# Altium PCB smart_mask_v_2_0.PcbDoc
Units mil, origin at the board's own origin, x right, y up, seen from the top; angles counter-clockwise.
Board outline 866.14 x 1141.73 mil, 4 copper layers (Top Layer, Ground Layer, Power Layer, Bottom Layer), stack 23.756 mil thick; 76 components, 51 nets, 237 pads, 155 vias.
Unrouted connection lines stored in the file: 4.
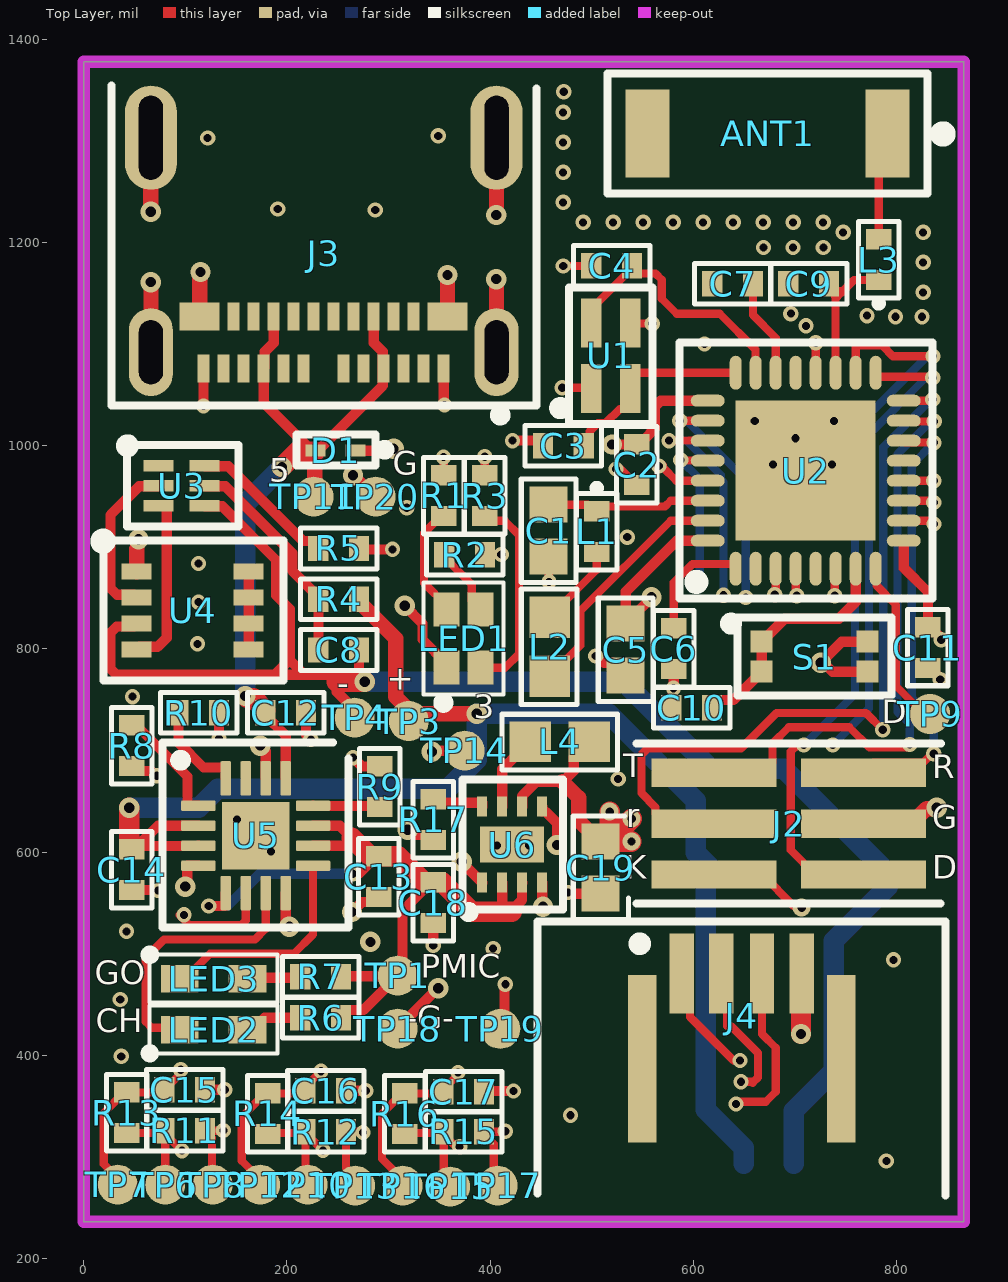
[diagram p0: Top Layer view]
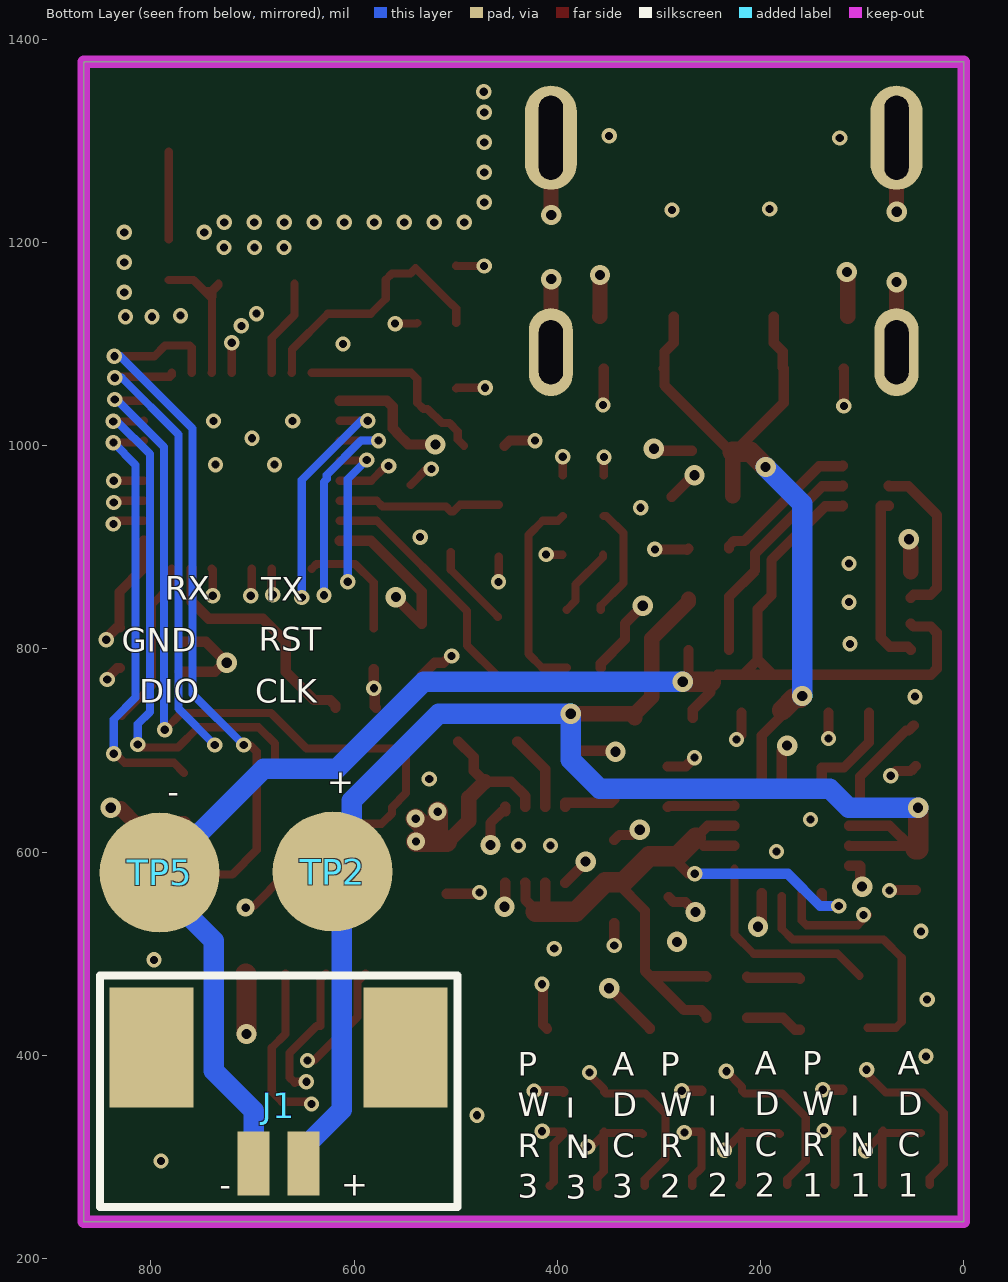
[diagram p1: Bottom Layer view, seen from below]
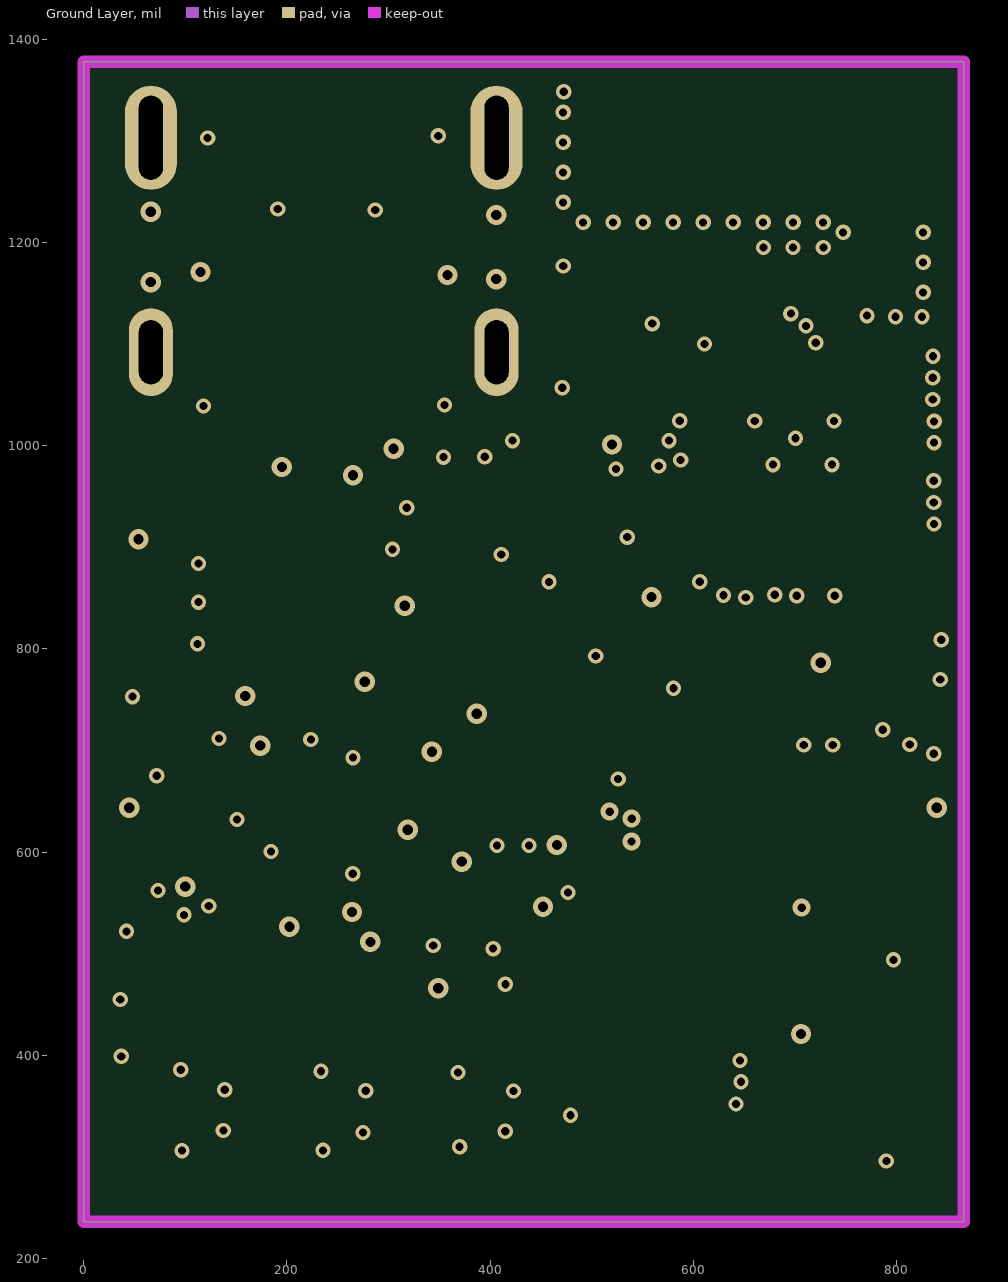
[diagram p2: Ground Layer]
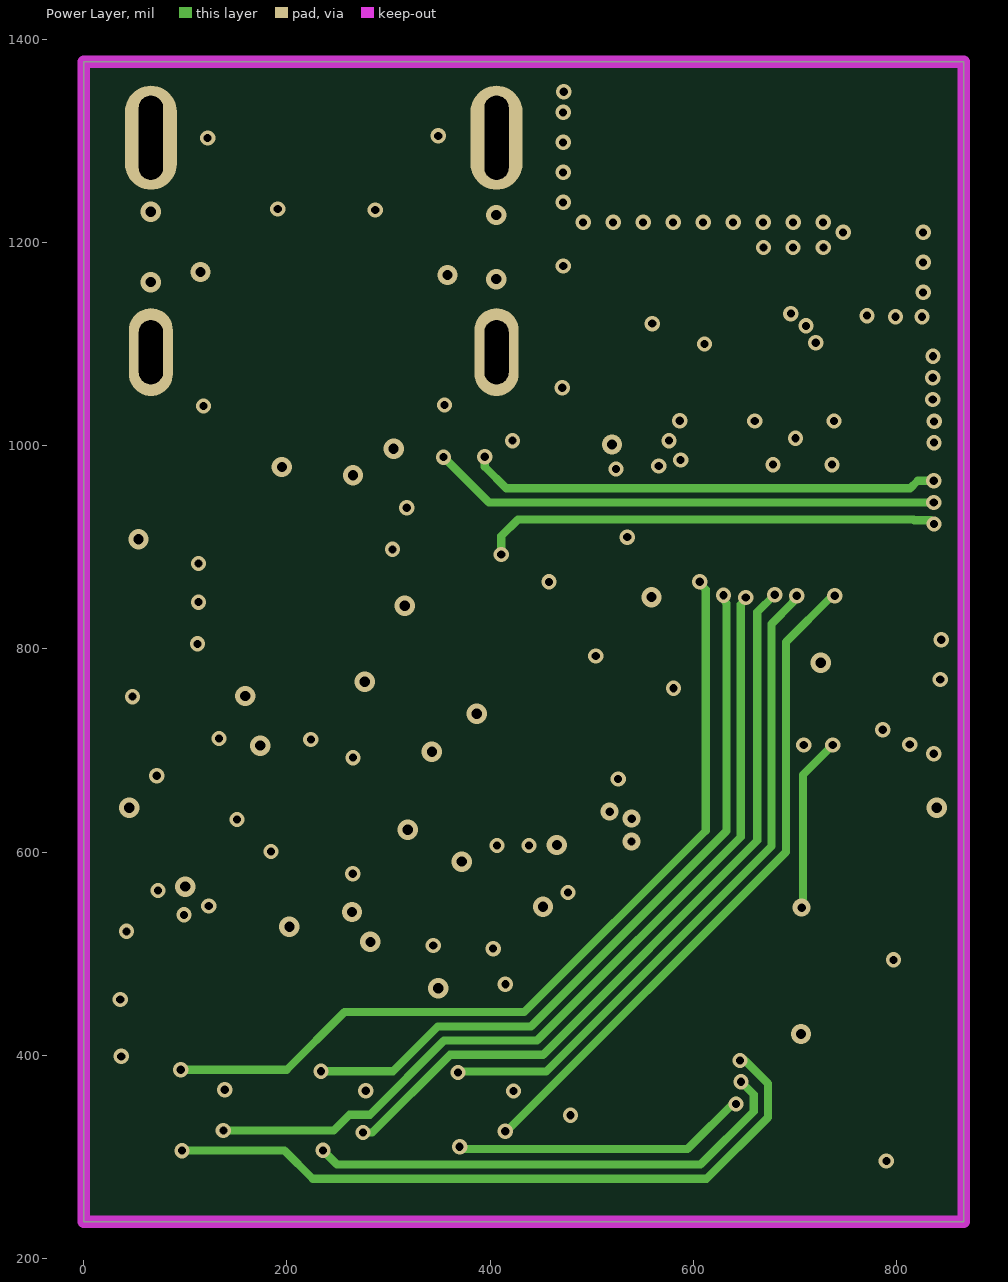
[diagram p3: Power Layer]
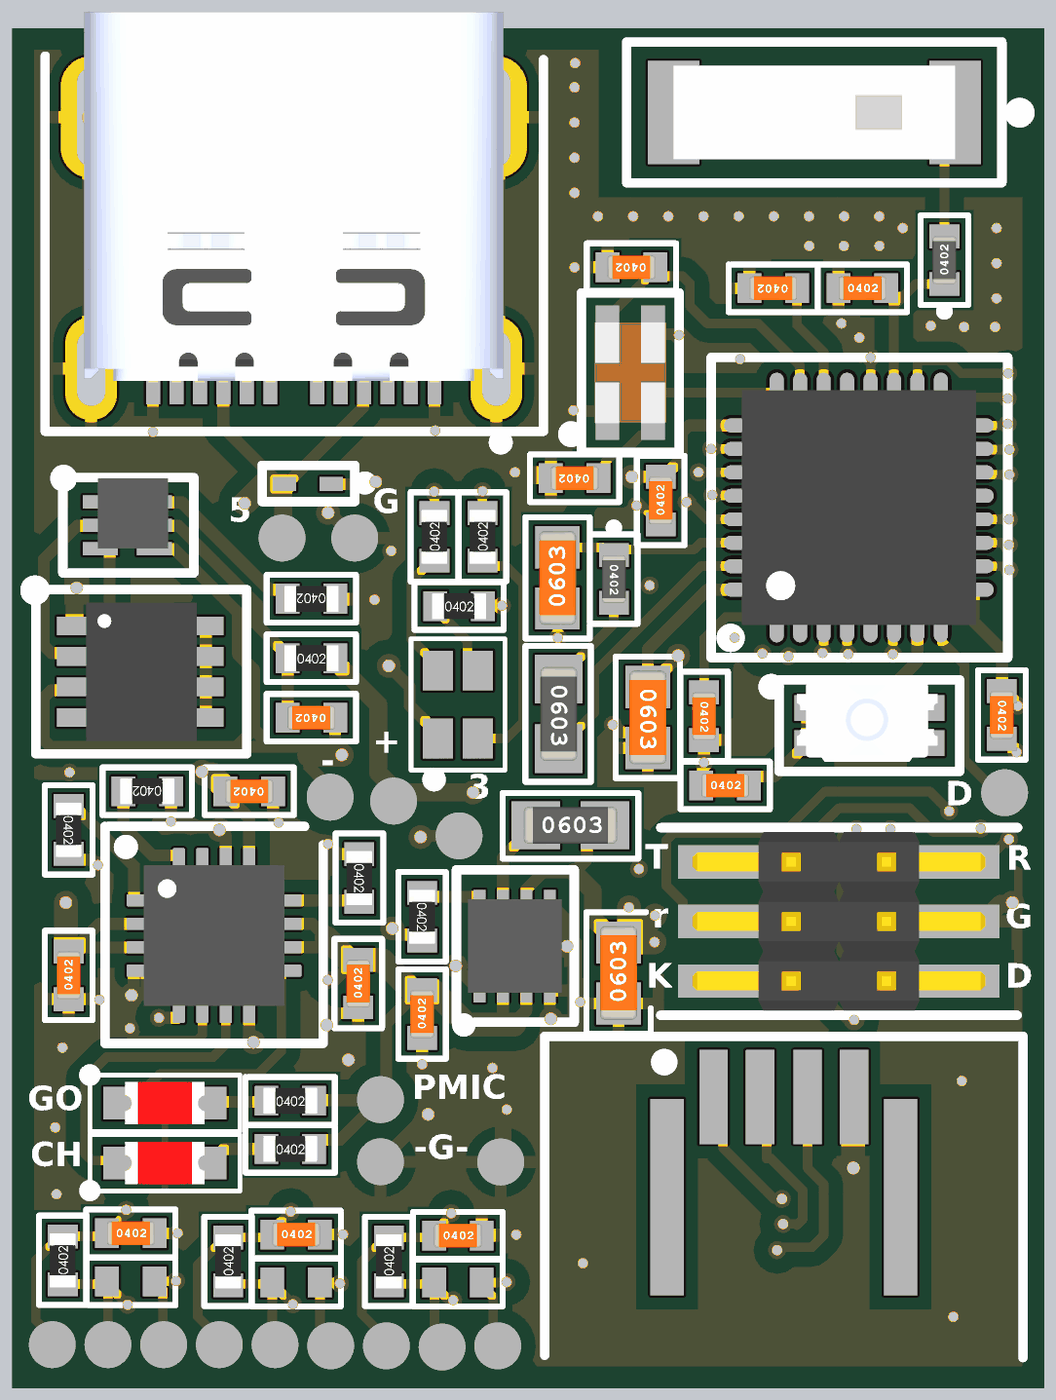
[diagram p4: 3D render of the assembled board from above, using the file's embedded part models]

## Layer stack, top to bottom
Top Solder: solder mask 0.4, Solder Resist, Dk 3.5
Top Layer: signal copper 1.4
Dielectric 2: prepreg 2.8, PP-006, Dk 4.1
Ground Layer: signal copper 1.378
Dielectric 1: dielectric 12.6, FR-4, Dk 4.8
Power Layer: signal copper 1.378
Dielectric 3: prepreg 2.8, PP-006, Dk 4.1
Bottom Layer: signal copper 1.4
Bottom Solder: solder mask 0.4, Solder Resist, Dk 3.5

## Board outline
0,236.22 866.14,236.22 866.14,1377.95 0,1377.95

## Design rules (kind name [scope] priority, off if disabled: settings)
Clearance Clearance_BAT_PLUS [InNamedPolygon('TOP_3V3') or InNamedPolygon('POWER_BAT_PLUS') or InNamedPolygon('TOP_BAT_PLUS') or InNamedPolygon('POWER_BAT_PLUS_2') or InNamedPolygon('TOP_BAT_MINUS') or InNamedPolygon('BOTTOM_BAT_MINUS')] p1: gap=8 ignorepadtopadclearanceinfootprint=FALSE except(0: Arc-Hole Track-Hole SMDPad-Hole THPad-Hole Via-Hole Fill-Hole Poly-Hole Region-Hole Text-Hole)
Clearance Clearance_polygon [InPolygon] p2: gap=12 ignorepadtopadclearanceinfootprint=FALSE except(0: Arc-Hole Track-Hole SMDPad-Hole THPad-Hole Via-Hole Fill-Hole Poly-Hole Region-Hole Text-Hole)
Clearance [All] p3: gap=6 ignorepadtopadclearanceinfootprint=FALSE except(0: Arc-Hole Track-Hole SMDPad-Hole THPad-Hole Via-Hole Fill-Hole Poly-Hole Region-Hole Text-Hole)
ComponentClearance [All] p1: gap=0 collisioncheckmode=3 verticalgap=0 showdistances=FALSE
HoleSize [All] p1: absolutevalues=TRUE maxlimit=100 minlimit=8 maxpercent=80.000 minpercent=20.000
MinimumSolderMaskSliver [All] p1: minsoldermaskwidth=0
PolygonConnect PolygonConnect_1 [All vs IsNamedPolygon('TOP_BAT_MINUS') Or IsNamedPolygon('POWER_BAT_PLUS')] p1: thpad.connectstyle=Relief thpad.reliefconductorwidth=10 thpad.reliefentries=4 thpad.polygonreliefangle="90 Angle" thpad.airgapwidth=10 smdpad.connectstyle=Relief smdpad.reliefconductorwidth=10 smdpad.reliefentries=4 smdpad.polygonreliefangle="90 Angle" smdpad.airgapwidth=10 via.connectstyle=Direct via.reliefconductorwidth=10 via.reliefentries=4 via.polygonreliefangle="90 Angle" via.airgapwidth=10
PolygonConnect 3V3_connect [All vs IsNamedPolygon('POWER_3V3')] p2: thpad.connectstyle=Relief thpad.reliefconductorwidth=10 thpad.reliefentries=4 thpad.polygonreliefangle="90 Angle" thpad.airgapwidth=10 smdpad.connectstyle=Relief smdpad.reliefconductorwidth=10 smdpad.reliefentries=4 smdpad.polygonreliefangle="90 Angle" smdpad.airgapwidth=10 via.connectstyle=Direct via.reliefconductorwidth=10 via.reliefentries=4 via.polygonreliefangle="90 Angle" via.airgapwidth=10
PolygonConnect GND_connect [All vs IsNamedPolygon('TOP_GND') Or IsNamedPolygon('BOTTOM_GND')Or IsNamedPolygon('GROUND_GND')] p3: thpad.connectstyle=Relief thpad.reliefconductorwidth=10 thpad.reliefentries=4 thpad.polygonreliefangle="90 Angle" thpad.airgapwidth=10 smdpad.connectstyle=Relief smdpad.reliefconductorwidth=10 smdpad.reliefentries=4 smdpad.polygonreliefangle="90 Angle" smdpad.airgapwidth=10 via.connectstyle=Direct via.reliefconductorwidth=10 via.reliefentries=4 via.polygonreliefangle="90 Angle" via.airgapwidth=10
PolygonConnect [All] p4: thpad.connectstyle=Relief thpad.reliefconductorwidth=10 thpad.reliefentries=4 thpad.polygonreliefangle="45 Angle" thpad.airgapwidth=10 smdpad.connectstyle=Relief smdpad.reliefconductorwidth=10 smdpad.reliefentries=4 smdpad.polygonreliefangle="90 Angle" smdpad.airgapwidth=10 via.connectstyle=Direct via.reliefconductorwidth=10 via.reliefentries=4 via.polygonreliefangle="90 Angle" via.airgapwidth=10
RoutingVias [All] p1: holewidth=10 width=20 viastyle="Through Hole" minholewidth=6 minwidth=12 maxholewidth=100 maxwidth=100
SilkToSilkClearance [All] p1: silktosilkclearance=0
SilkToSolderMaskClearance [IsPad] p1: minsilkscreentomaskgap=4 clearancetoexposedcopper=TRUE
SolderMaskExpansion [All] p1: expansion=2 istentingtop=FALSE
Width [All] p1: maxlimit=100 minlimit=8 preferedwidth=8
25 further rules are at their usual default settings.

## Classes and differential pairs
component class smart_mask_v_2_0: ANT1 C1 C2 C3 C4 C5 C6 C7 C8 C9 C11 C17 C19 D1 J1 J2 J3 J4 L1 L2 L3 L4 LED1 LED2 LED3 R1 R2 R3 R4 R5 R6 R7 R8 R9 R10 R11 R12 R13 R14 R15 R16 R17 S1 TP1 TP2 TP3 TP4 TP5 TP6 TP7 TP8 TP9 TP10 TP11 TP12 TP13 TP14 TP15 TP17 TP20 U1 U2 U3 U4 U5 U6

## Components (designator, comment, footprint, x,y, rotation, side; value= is the part's Value field where it differs from the comment)
ANT1 "2450AT43F0100E" ANT_2450AT43F0100E 791.34,1307.09 r180 top
C1 "Multilayer Ceramic Capacitor" C0603 457.68,916.34 r90 top value=1uF
C2 "Multilayer Ceramic Capacitor" C0402 544.29,981.3 r90 top value=100nF
C3 "Multilayer Ceramic Capacitor" C0402 472,1000 r180 top value=12pF
C4 "Multilayer Ceramic Capacitor" C0402 519.68,1177.17 r180 top value=12pF
C5 "Multilayer Ceramic Capacitor" C0603 533.46,799.21 r270 top value=4.7uF
C6 "Multilayer Ceramic Capacitor" C0402 580.71,800.2 r270 top value=100nF
C7 "Multilayer Ceramic Capacitor" C0402 638.78,1159.45 r180 top value=100pF
C8 "Multilayer Ceramic Capacitor" C0402 250.98,798.97 r180 top value=100nF
C9 "Multilayer Ceramic Capacitor" C0402 713.58,1159.45 r0 top value=0.8pF
C10 "Multilayer Ceramic Capacitor" C0402 598.43,742.13 r0 top value=100nF
C11 "Multilayer Ceramic Capacitor" C0402 830.71,801.24 r270 top value=100nF
C12 "Multilayer Ceramic Capacitor" C0402 198.82,737.2 r180 top value=1uF
C13 "Multilayer Ceramic Capacitor" C0402 290.35,575.79 r90 top value=4.7uF
C14 "Multilayer Ceramic Capacitor" C0402 47.24,582.68 r90 top value=4.7uF
C15 "Multilayer Ceramic Capacitor" C0402 99.41,366.14 r0 top value=150nF
C16 "Multilayer Ceramic Capacitor" C0402 238.19,365.16 r0 top value=150nF
C17 "Multilayer Ceramic Capacitor" C0402 374.02,364.17 r0 top value=150nF
C18 "Multilayer Ceramic Capacitor" C0402 343.96,550.2 r90 top value=10uF
C19 "Multilayer Ceramic Capacitor" C0603 508.86,584.65 r90 top value=22uF
D1 "ESD9B5.0ST5G" Diode_ESD9B5.0ST5G 255.91,998.03 r180 top
J1 "0532610271" 0532610271 674.21,407.48 r0 bottom
J2 "FTS-103-01-F-DV-TR" CON_6_2_1.27_FTS_103_01 693.9,627.95 r270 top
J3 "1054500101" USB-C-1054500101 236.22,1224.41 r180 top
J4 "SFW4R-2STE1LF" SFW4R-2STE1LF 647.64,381.89 r180 top
L1 "IND 15nH 0402" L0402 504.92,915.35 r270 top value=15nH
L2 "IND 10uH 0603" L0603 458.66,802.17 r270 top value=10uH
L3 "IND 3.9nH 0402" L0402 782.48,1183.07 r90 top value=3.9nH
L4 "IND 2.2uH 0603" L0603 468.5,708.66 r0 top value=2.2uH
LED1 "rgb_LTST-C19HE1WT" LTST-C19HE1WT-4_V 374.02,810.04 r0 top
LED2 "LTST-C190CKT" LTST-C190CKT 127.95,425.2 r0 top
LED3 "LTST-C190CKT" LTST-C190CKT 127.95,475.39 r0 top
R1 "Thick Film" R0402 354.33,950.79 r90 top value=470R
R2 "Thick Film" R0402 375,892.72 r0 top value=470R
R3 "Thick Film" R0402 394.69,950.79 r90 top value=470R
R4 "Thick Film" R0402 250.98,848.92 r0 top value=330
R5 "Thick Film" R0402 250.98,898.87 r180 top value=2.2k
R6 "Thick Film" R0402 233.27,437.01 r0 top value=470R
R7 "Thick Film" R0402 233.27,477.36 r0 top value=470R
R8 "Thick Film" R0402 47.24,704.72 r270 top value=10k
R9 "Thick Film" R0402 291.34,664.37 r270 top value=3k
R10 "Thick Film" R0402 113.19,737.2 r180 top value=4.7k
R11 "Thick Film" R0402_DNI 99.41,325.79 r0 top
R12 "Thick Film" R0402_DNI 238.19,324.8 r0 top
R13 "Thick Film" R0402 42.32,343.5 r90 top value=100k
R14 "Thick Film" R0402 181.1,342.52 r90 top value=100k
R15 "Thick Film" R0402_DNI 374.02,324.8 r0 top
R16 "Thick Film" R0402 315.94,342.52 r90 top value=100k
R17 "Thick Film" R0402 343.96,631.89 r270 top value=100k
S1 "EVP-BB2A9B000" BUTTON_EVP-BB2A9B000 716.54,797.24 r0 top
TP1 "TP_1mm" TP_1mm#1 312.99,477.36 r90 top
TP2 "TP_3mm" TP_3mm 621.06,580.71 r0 top
TP3 "TP_1mm" TP_1mm#2 320,729 r90 top
TP4 "TP_1mm" TP_1mm#2 266.73,732.28 r90 top
TP5 "TP_3mm" TP_3mm 791.34,579.72 r0 top
TP6 "TP_1mm" TP_1mm#2 80.22,272.64 r270 top
TP7 "TP_1mm" TP_1mm#2 33.46,272.64 r90 top
TP8 "TP_1mm" TP_1mm#2 126.97,272.64 r270 top
TP9 "TP_1mm" TP_1mm#2 833,736 r90 top
TP10 "TP_1mm" TP_1mm#2 220.47,272.64 r90 top
TP11 "TP_1mm" TP_1mm#2 226.38,949.8 r90 top
TP12 "TP_1mm" TP_1mm#2 173.72,272.64 r90 top
TP13 "TP_1mm" TP_1mm#2 267.22,271.65 r90 top
TP14 "TP_1mm" TP_1mm#3 350.39,708.66 r90 top
TP15 "TP_1mm" TP_1mm#2 360.73,270.67 r90 top
TP16 "TP_1mm" TP_1mm#2 313.98,271.65 r90 top
TP17 "TP_1mm" TP_1mm#2 407.48,271.65 r90 top
TP18 "TP_1mm" TP_1mm#2 309.06,426.18 r90 top
TP19 "TP_1mm" TP_1mm#2 410,426 r90 top
TP20 "TP_1mm" TP_1mm#2 287.4,949.8 r90 top
U1 "ABM11W-32.0000MHZ-8-B1U-T3" XTAL_32MHz_ABM11W-32.0000MHZ-8-B1U-T3 518.7,1088.58 r90 top
U2 "NRF52811_QCAA" NRF52811_QCAA 710.63,975.39 r90 top
U3 "BQ29700DSER" BATT_PROTEC_BQ29700DSER 102.36,970.47 r0 top
U4 "ECH8693R-TL-W" MOSFET_2CHAN_ECH8693R-TL-W 108.27,837.6 r0 top
U5 "BQ24074RGTR" BATT_CHARG_BQ24074RGTR 169.29,616.14 r0 top
U6 "TPS62172DSGR" REG_BUCK_TPS62172DSGR 421.72,607.28 r90 top

## Footprints (in the part's own frame and the unit in brackets; to place one, negate y for a bottom-side part, rotate by r counter-clockwise, add the part's x,y. Pads: shape width x height; smd on the part's side, far side on the other; paste and mask are expansions set on the pad)
0532610271 [mm] "JST CONN HEADER SMD R/A 2POS 1.25MM Picoblade"
  rect 0.8x1.6 smd: 1(-0.625,2.9) 2(0.625,2.9)
  rect 2.1x3 smd: 3(-3.175,0) 4(3.175,0)
  silkscreen extent -4.47,-1.8 4.47,3.99, body extent -4.02,-1.67 3.63,3.53, height 3.4
ANT_2450AT43F0100E [mm] "RF ANT 2.4GHZ CHIP SOLDER SMD"
  rect 1.1x2.2 smd: 1(0,0) 2(6,0)
  silkscreen extent -1.53,-1.5 7,1.5, body extent 0,-1 6,1, height 1.2
BATT_CHARG_BQ24074RGTR [mm] "IC LI-ION CHARGE MGMT 16-QFN"
  rrect25% 0.86x0.26 smd: 1(-1.435,0.75) 2(-1.435,0.25) 3(-1.435,-0.25) 4(-1.435,-0.75) 9(1.435,-0.75) 10(1.435,-0.25) 11(1.435,0.25) 12(1.435,0.75)
  rrect25% 0.26x0.86 smd: 5(-0.75,-1.435) 6(-0.25,-1.435) 7(0.25,-1.435) 8(0.75,-1.435) 13(0.75,1.435) 14(0.25,1.435) 15(-0.25,1.435) 16(-0.75,1.435)
  rect 1.68x1.68 smd paste-2: 17(0,0)
  silkscreen extent -2.32,-2.3 2.32,2.32, body extent -1.5,-1.5 1.5,1.5, height 1
BATT_PROTEC_BQ29700DSER [mm] "IC LITHIUM BATT PROTECT 6-SON"
  rect 0.75x0.28 smd: 1(-0.726,0.248) 2(-0.726,-0.252) 3(-0.726,-0.752) 4(0.424,-0.752) 5(0.424,-0.252) 6(0.424,0.248)
  silkscreen extent -1.64,-1.27 1.27,0.89, body extent -0.78,-0.75 0.72,0.75, height 0.77
BUTTON_EVP-BB2A9B000 [mm] "SWITCH TACTILE SPST-NO 0.02A 15V"
  rect 0.55x0.55 smd: A1(-1.25,0.25) A2(-1.25,-0.5) B1(1.4,0.25) B2(1.4,-0.5)
  silkscreen extent -2.14,-1.1 2,0.85, body extent -1.47,-0.9 1.53,0.9, height 0.51
C0402 [mil]
  rect 20x25 smd mask+2: 1(-20,0) 2(20,0)
  silkscreen extent -38,-20 38,20, body extent -20,-10 20,10, height 20
C0603 [mm] "non polarized"
  rect 0.9x0.95 smd: 1(-0.65,0) 2(0.65,0)
  silkscreen extent -1.3,-0.69 1.3,0.69, body extent -1,-0.39 1,0.39, height 0.79
CON_6_2_1.27_FTS_103_01 [mil] "CONN HEADER SMD 6POS 1.27MM"
  rect 28x123 smd paste+0 mask+0: 1(50,-73.5) 2(50,73.5) 3(0,-73.5) 4(0,73.5) 5(-50,-73.5) 6(-50,73.5)
  silkscreen extent -79,-150 79,150, body extent -75,-123 75,123, height 170
Diode_ESD9B5.0ST5G [mm] "TVS DIODE 5V SOD923"
  rect 0.5x0.3 smd: 1(-0.3,0.075) 2(0.7,0.075)
  silkscreen extent -1.11,-0.32 1.18,0.45
L0402 [mil]
  rect 20x25 smd mask+2: 1(-20,0) 2(20,0)
  silkscreen extent -45,-20 38,20, body extent -20,-10 20,10, height 20
L0603 [mm]
  rect 1.04x1.02 smd: 1(-0.74,0) 2(0.74,0)
  silkscreen extent -1.45,-0.71 1.45,0.69, body extent -1,-0.39 1,0.39, height 0.79
LTST-C19HE1WT-4_V [mm] "SMD, 4-Leads, Body 1.6x1.6mm, Pitch 0.85mm"
  rect 0.65x0.85 smd: 1(-0.425,0.725) 2(0.425,0.725) 3(0.425,-0.725) 4(-0.425,-0.725)
  silkscreen extent -1,-1.7 1,1.4, body extent -0.8,-0.8 0.8,0.8, height 0.35
LTST-C190CKT [mm] "LED RED 0603"
  rect 0.94x0.69 smd: A(0.845,0) C(-0.845,0)
  silkscreen extent -1.68,-0.67 1.6,0.6, body extent -0.85,-0.45 0.85,0.45, height 0.9
MOSFET_2CHAN_ECH8693R-TL-W [mm] "MOSFET 2N-CH 24V 14A SOT-28"
  rect 0.75x0.4 smd: 1(-1.425,0.975) 2(-1.425,0.325) 3(-1.425,-0.325) 4(-1.425,-0.975) 5(1.375,-0.975) 6(1.375,-0.325) 7(1.375,0.325) 8(1.375,0.975)
  silkscreen extent -2.43,-1.75 2.25,1.9, body extent -1.18,-1.49 1.18,1.47, height 0.95
NRF52811_QCAA [mm] "Nordic Bluetooth 5.1 chip 32 pins QFN32"
  oval 0.85x0.3 smd mask+0.076: 1(-2.45,1.75) 2(-2.45,1.25) 3(-2.45,0.75) 4(-2.45,0.25) 5(-2.45,-0.25) 6(-2.45,-0.75) 7(-2.45,-1.25) 8(-2.45,-1.75) 17(2.45,-1.75) 18(2.45,-1.25) 19(2.45,-0.75) 20(2.45,-0.25) 21(2.45,0.25) 22(2.45,0.75) 23(2.45,1.25) 24(2.45,1.75)
  oval 0.3x0.85 smd mask+0.076: 9(-1.75,-2.45) 10(-1.25,-2.45) 11(-0.75,-2.45) 12(-0.25,-2.45) 13(0.25,-2.45) 14(0.75,-2.45) 15(1.25,-2.45) 16(1.75,-2.45) 25(1.75,2.45) 26(1.25,2.45) 27(0.75,2.45) 28(0.25,2.45) 29(-0.25,2.45) 30(-0.75,2.45) 31(-1.25,2.45) 32(-1.75,2.45)
  rect 3.5x3.5 smd: 33(0,0)
  silkscreen extent -3.2,-3.18 3.2,3.15, body extent -2.5,-2.5 2.5,2.5, height 0.9
R0402 [mil]
  rect 20x25 smd mask+2: 1(-20,0) 2(20,0)
  silkscreen extent -38,-20 38,20, body extent -23,-11 23,11, height 16
R0402_DNI [mil]
  rect 20x25 smd mask+2: 1(-20,0) 2(20,0)
  silkscreen extent -38,-20 37,20
REG_BUCK_TPS62172DSGR [mm] "REG BUCK 3.3V 500MA 8WSON"
  rect 0.5x0.25 smd paste+0 mask+0.051: 1(-0.95,0.75) 2(-0.95,0.25) 3(-0.95,-0.25) 4(-0.95,-0.75) 5(0.95,-0.75) 6(0.95,-0.25) 7(0.95,0.25) 8(0.95,0.75)
  rect 0.9x1.6 smd paste-0.45 mask+0.051: 9(0,0)
  silkscreen extent -1.78,-1.27 1.63,1.24, body extent -1,-1 1,1, height 0.77
SFW4R-2STE1LF [mil] "CONN FFC FPC TOP 4POS 1.00MM R/A"
  rect 24x79 smd: 1(59,-98.69) 2(20,-98.69) 3(-20,-98.69) 4(-59,-98.69)
  rect 28x165 smd: 5(-98,-14.69) 6(98,-14.69)
  silkscreen extent -201,-150 201,120, body extent -193,-119 193,136, height 106
TP_1mm#1 [mm]
  round 1 smd paste+0 mask+0: 1(0.025,0.1)
TP_1mm#2 [mm]
  round 1 smd paste+0 mask+0: 1(0,0)
TP_1mm#3 [mm]
  round 1 smd paste+0 mask+0: 1(-0.225,-0.625)
TP_3mm [mm]
  round 3 smd far side paste+0 mask+0: 1(0,0)
USB-C-1054500101 [mm] "USB-C CONN RCP USB3.1 TYPEC 24P SMD RA"
  rect 0.3x0.7 smd: A1(-3,3.77) A2(-2.5,3.77) A3(-2,3.77) A4(-1.5,3.77) A5(-1,3.77) A6(-0.5,3.77) A7(0.5,3.77) A8(1,3.77) A9(1.5,3.77) A10(2,3.77) A11(2.5,3.77) A12(3,3.77) B2(2.25,2.47) B3(1.75,2.47) B4(1.25,2.47) B5(0.75,2.47) B6(0.25,2.47) B7(-0.25,2.47) B8(-0.75,2.47) B9(-1.25,2.47) B10(-1.75,2.47) B11(-2.25,2.47)